# Altium PCB AVALON2_21b.PcbDoc (part 1 of 7) (continued)
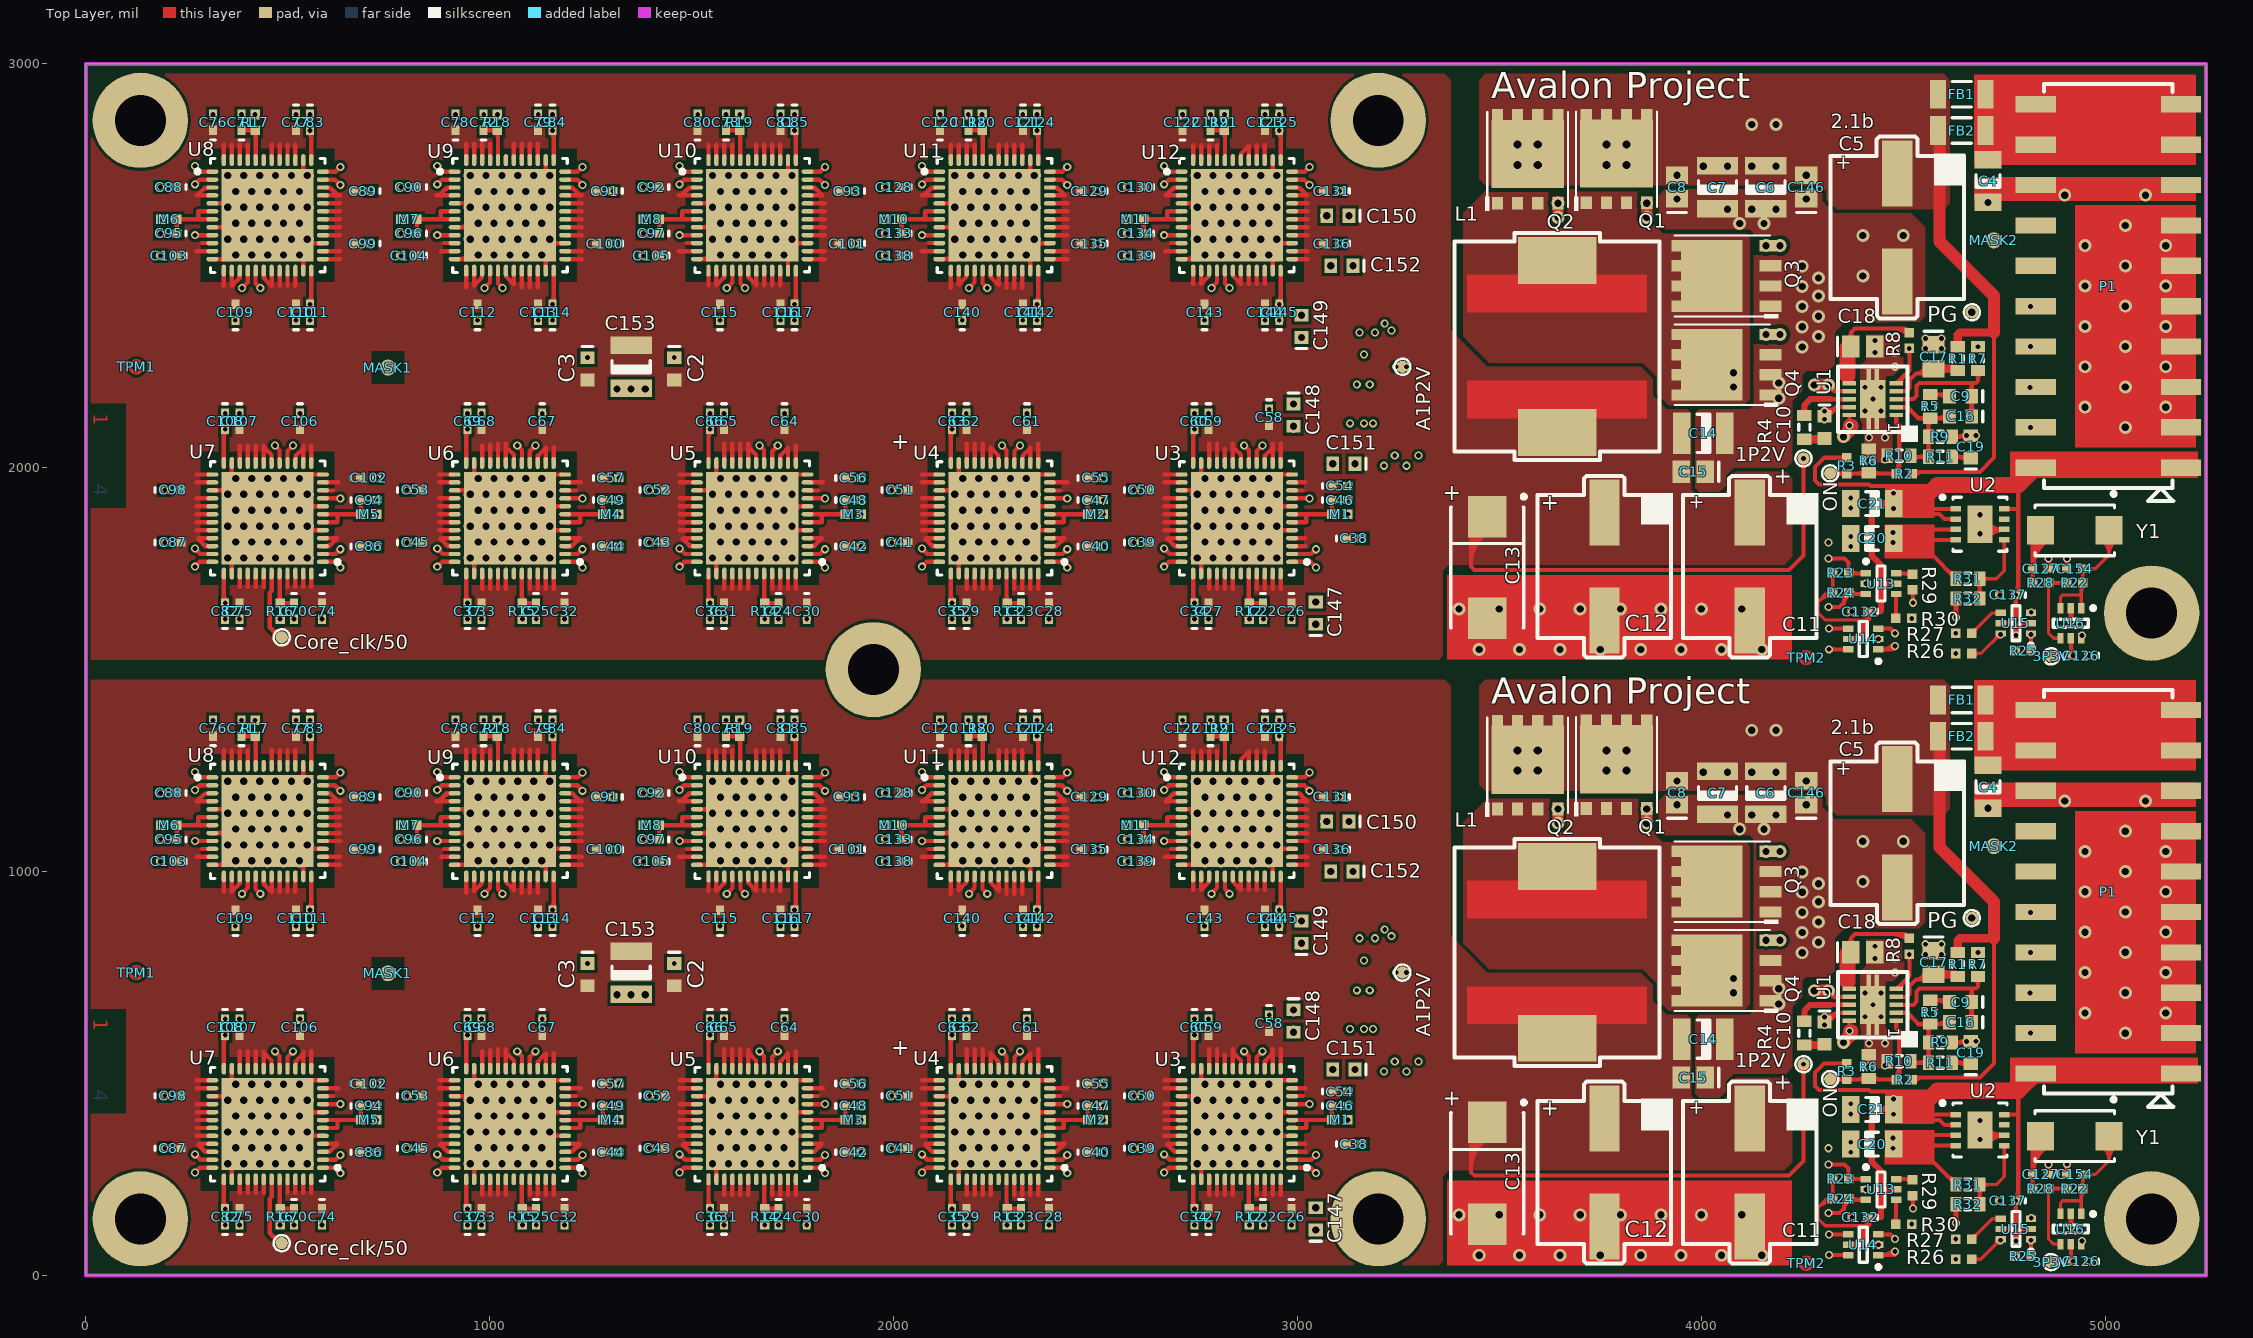
[diagram p0: Top Layer view]
## Components (designator, comment, footprint, x,y, rotation, side; value= is the part's Value field where it differs from the comment)
1P2V "TP" TP 4253,523 r180 top
1P2V "TP" TP 4253,2023 r180 top
3P3V "TP" TP 4866,33 r270 top
3P3V "TP" TP 4866,1533 r270 top
A1P2V "TP" TP 3260,750 r0 top
A1P2V "TP" TP 3260,2250 r0 top
C2 "4.7uF" CAPC1608L 1457,745 r270 top
C2 "4.7uF" CAPC1608L 1457,2245 r270 top
C3 "4.7uF" CAPC1608L 1242,745 r270 top
C3 "4.7uF" CAPC1608L 1242,2245 r270 top
C4 "10uF/16V" CAPC3216L 4710,1210 r90 top
C4 "10uF/16V" CAPC3216L 4710,2710 r90 top
C5 "470uF/16V" E12 4485,1095 r180 top
C5 "470uF/16V" E12 4485,2595 r180 top
C6 "22uF/16V" CAPC3225L 4160,1195 r90 top
C6 "22uF/16V" CAPC3225L 4160,2695 r90 top
C7 "22uF/16V" CAPC3225L 4040,1195 r90 top
C7 "22uF/16V" CAPC3225L 4040,2695 r90 top
C8 "4.7uF/16V" CAPC2012L 3940,1195 r90 top
C8 "4.7uF/16V" CAPC2012L 3940,2695 r90 top
C9 "6800pF" CAPC1608L 4641.93,676.93 r180 top
C9 "6800pF" CAPC1608L 4641.93,2176.93 r180 top
C10 "1uF/20V" CAPC1608L 4305,600 r270 top
C10 "1uF/20V" CAPC1608L 4305,2100 r270 top
C11 "1500uF/2.5V" E12 4120,255 r180 top
C11 "1500uF/2.5V" E12 4120,1755 r180 top
C12 "1500uF/2.5V" E12 3760,255 r180 top
C12 "1500uF/2.5V" E12 3760,1755 r180 top
C13 "680uF" D 3470,253.06 r270 top
C13 "680uF" D 3470,1753.06 r270 top
C14 "47uF" CAPC3225L 4005,585 r180 top
C14 "47uF" CAPC3225L 4005,2085 r180 top
C15 "10uF" CAPC2012L 3980,490 r180 top
C15 "10uF" CAPC2012L 3980,1990 r180 top
C16 "390pF" CAPC1608L 4641.93,626.93 r180 top
C16 "390pF" CAPC1608L 4641.93,2126.93 r180 top
C17 "4.7uF/16V" CAPC2012L 4575,775 r270 top
C17 "4.7uF/16V" CAPC2012L 4575,2275 r270 top
C18 "10uF" CAPC2012L 4400,800 r0 top
C18 "10uF" CAPC2012L 4400,2300 r0 top
C19 "4700pF" CAPC1608L 4666.93,551.93 r90 top
C19 "4700pF" CAPC1608L 4666.93,2051.93 r90 top
C20 "22uF" CAPC3216L 4423,325 r0 top
C20 "22uF" CAPC3216L 4423,1825 r0 top
C21 "22uF" CAPC3216L 4423,411 r180 top
C21 "22uF" CAPC3216L 4423,1911 r180 top
C22 "0.47uF" CAPC1005L 2915,145 r270 top
C22 "0.47uF" CAPC1005L 2915,1645 r270 top
C23 "0.47uF" CAPC1005L 2315,145 r270 top
C23 "0.47uF" CAPC1005L 2315,1645 r270 top
C24 "0.47uF" CAPC1005L 1715,145 r270 top
C24 "0.47uF" CAPC1005L 1715,1645 r270 top
C25 "0.47uF" CAPC1005L 1115,145 r270 top
C25 "0.47uF" CAPC1005L 1115,1645 r270 top
C26 "0.47uF" CAPC1005L 2985,145 r270 top
C26 "0.47uF" CAPC1005L 2985,1645 r270 top
C27 "0.47uF" CAPC1005L 2780,145 r90 top
C27 "0.47uF" CAPC1005L 2780,1645 r90 top
C28 "0.47uF" CAPC1005L 2385,145 r270 top
C28 "0.47uF" CAPC1005L 2385,1645 r270 top
C29 "0.47uF" CAPC1005L 2180,145 r90 top
C29 "0.47uF" CAPC1005L 2180,1645 r90 top
C30 "0.47uF" CAPC1005L 1785,145 r270 top
C30 "0.47uF" CAPC1005L 1785,1645 r270 top
C31 "0.47uF" CAPC1005L 1580,145.16 r90 top
C31 "0.47uF" CAPC1005L 1580,1645.16 r90 top
C32 "0.47uF" CAPC1005L 1185,145 r270 top
C32 "0.47uF" CAPC1005L 1185,1645 r270 top
C33 "0.47uF" CAPC1005L 980,145 r90 top
C33 "0.47uF" CAPC1005L 980,1645 r90 top
C34 "0.47uF" CAPC1005L 2745,145 r90 top
C34 "0.47uF" CAPC1005L 2745,1645 r90 top
C35 "0.47uF" CAPC1005L 2145,145.16 r90 top
C35 "0.47uF" CAPC1005L 2145,1645.16 r90 top
C36 "0.47uF" CAPC1005L 1545,145 r90 top
C36 "0.47uF" CAPC1005L 1545,1645 r90 top
C37 "0.47uF" CAPC1005L 945,145 r90 top
C37 "0.47uF" CAPC1005L 945,1645 r90 top
C38 "0.47uF" CAPC1005L 3140,325 r0 top
C38 "0.47uF" CAPC1005L 3140,1825 r0 top
C39 "0.47uF" CAPC1005L 2615,315 r0 top
C39 "0.47uF" CAPC1005L 2615,1815 r0 top
C40 "0.47uF" CAPC1005L 2500,305 r0 top
C40 "0.47uF" CAPC1005L 2500,1805 r0 top
C41 "0.47uF" CAPC1005L 2015,315 r0 top
C41 "0.47uF" CAPC1005L 2015,1815 r0 top
C42 "0.47uF" CAPC1005L 1900,305 r0 top
C42 "0.47uF" CAPC1005L 1900,1805 r0 top
C43 "0.47uF" CAPC1005L 1415,315 r0 top
C43 "0.47uF" CAPC1005L 1415,1815 r0 top
C44 "0.47uF" CAPC1005L 1300,305 r0 top
C44 "0.47uF" CAPC1005L 1300,1805 r0 top
C45 "0.47uF" CAPC1005L 815,315 r0 top
C45 "0.47uF" CAPC1005L 815,1815 r0 top
C46 "0.47uF" CAPC1005L 3105,420 r0 top
C46 "0.47uF" CAPC1005L 3105,1920 r0 top
C47 "0.47uF" CAPC1005L 2500,420 r0 top
C47 "0.47uF" CAPC1005L 2500,1920 r0 top
C48 "0.47uF" CAPC1005L 1900,420 r0 top
C48 "0.47uF" CAPC1005L 1900,1920 r0 top
C49 "0.47uF" CAPC1005L 1300,420 r0 top
C49 "0.47uF" CAPC1005L 1300,1920 r0 top
C50 "0.47uF" CAPC1005L 2615,445 r0 top
C50 "0.47uF" CAPC1005L 2615,1945 r0 top
C51 "0.47uF" CAPC1005L 2015,445 r0 top
C51 "0.47uF" CAPC1005L 2015,1945 r0 top
C52 "0.47uF" CAPC1005L 1415,445 r0 top
C52 "0.47uF" CAPC1005L 1415,1945 r0 top
C53 "0.47uF" CAPC1005L 815,445 r0 top
C53 "0.47uF" CAPC1005L 815,1945 r0 top
C54 "0.47uF" CAPC1005L 3105,455 r0 top
C54 "0.47uF" CAPC1005L 3105,1955 r0 top
C55 "0.47uF" CAPC1005L 2500,475 r0 top
C55 "0.47uF" CAPC1005L 2500,1975 r0 top
C56 "0.47uF" CAPC1005L 1900,475 r0 top
C56 "0.47uF" CAPC1005L 1900,1975 r0 top
C57 "0.47uF" CAPC1005L 1300,475 r0 top
C57 "0.47uF" CAPC1005L 1300,1975 r0 top
C58 "0.47uF" CAPC1005L 2930,625 r270 top
C58 "0.47uF" CAPC1005L 2930,2125 r270 top
C59 "0.47uF" CAPC1005L 2780,615 r270 top
C59 "0.47uF" CAPC1005L 2780,2115 r270 top
C60 "0.47uF" CAPC1005L 2745,615 r270 top
C60 "0.47uF" CAPC1005L 2745,2115 r270 top
C61 "0.47uF" CAPC1005L 2330,615 r270 top
C61 "0.47uF" CAPC1005L 2330,2115 r270 top
C62 "0.47uF" CAPC1005L 2180,615 r270 top
C62 "0.47uF" CAPC1005L 2180,2115 r270 top
C63 "0.47uF" CAPC1005L 2145,615 r270 top
C63 "0.47uF" CAPC1005L 2145,2115 r270 top
C64 "0.47uF" CAPC1005L 1730,615 r270 top
C64 "0.47uF" CAPC1005L 1730,2115 r270 top
C65 "0.47uF" CAPC1005L 1580,615 r270 top
C65 "0.47uF" CAPC1005L 1580,2115 r270 top
C66 "0.47uF" CAPC1005L 1545,615 r270 top
C66 "0.47uF" CAPC1005L 1545,2115 r270 top
C67 "0.47uF" CAPC1005L 1130,615 r270 top
C67 "0.47uF" CAPC1005L 1130,2115 r270 top
C68 "0.47uF" CAPC1005L 980,615 r270 top
C68 "0.47uF" CAPC1005L 980,2115 r270 top
C69 "0.47uF" CAPC1005L 945,615 r270 top
C69 "0.47uF" CAPC1005L 945,2115 r270 top
C70 "0.47uF" CAPC1005L 515,145 r270 top
C70 "0.47uF" CAPC1005L 515,1645 r270 top
C71 "0.47uF" CAPC1005L 385,1355 r90 top
C71 "0.47uF" CAPC1005L 385,2855 r90 top
C72 "0.47uF" CAPC1005L 985,1355 r90 top
C72 "0.47uF" CAPC1005L 985,2855 r90 top
C73 "0.47uF" CAPC1005L 1585,1355 r90 top
C73 "0.47uF" CAPC1005L 1585,2855 r90 top
C74 "0.47uF" CAPC1005L 585,145 r270 top
C74 "0.47uF" CAPC1005L 585,1645 r270 top
C75 "0.47uF" CAPC1005L 380,145 r90 top
C75 "0.47uF" CAPC1005L 380,1645 r90 top
C76 "0.47uF" CAPC1005L 315,1355 r90 top
C76 "0.47uF" CAPC1005L 315,2855 r90 top
C77 "0.47uF" CAPC1005L 520,1355 r270 top
C77 "0.47uF" CAPC1005L 520,2855 r270 top
C78 "0.47uF" CAPC1005L 915,1355 r90 top
C78 "0.47uF" CAPC1005L 915,2855 r90 top
C79 "0.47uF" CAPC1005L 1120,1355 r270 top
C79 "0.47uF" CAPC1005L 1120,2855 r270 top
C80 "0.47uF" CAPC1005L 1515,1355 r90 top
C80 "0.47uF" CAPC1005L 1515,2855 r90 top
C81 "0.47uF" CAPC1005L 1720,1355 r270 top
C81 "0.47uF" CAPC1005L 1720,2855 r270 top
C82 "0.47uF" CAPC1005L 345,145 r90 top
C82 "0.47uF" CAPC1005L 345,1645 r90 top
C83 "0.47uF" CAPC1005L 555,1355 r270 top
C83 "0.47uF" CAPC1005L 555,2855 r270 top
C84 "0.47uF" CAPC1005L 1155,1355 r270 top
C84 "0.47uF" CAPC1005L 1155,2855 r270 top
C85 "0.47uF" CAPC1005L 1755,1355 r270 top
C85 "0.47uF" CAPC1005L 1755,2855 r270 top
C86 "0.47uF" CAPC1005L 700,305 r0 top
C86 "0.47uF" CAPC1005L 700,1805 r0 top
C87 "0.47uF" CAPC1005L 214.84,315 r0 top
C87 "0.47uF" CAPC1005L 214.84,1815 r0 top
C88 "0.47uF" CAPC1005L 204.84,1195 r180 top
C88 "0.47uF" CAPC1005L 204.84,2695 r180 top
C89 "0.47uF" CAPC1005L 685,1185 r180 top
C89 "0.47uF" CAPC1005L 685,2685 r180 top
C90 "0.47uF" CAPC1005L 800,1195 r180 top
C90 "0.47uF" CAPC1005L 800,2695 r180 top
C91 "0.47uF" CAPC1005L 1285,1185 r180 top
C91 "0.47uF" CAPC1005L 1285,2685 r180 top
C92 "0.47uF" CAPC1005L 1400,1195 r180 top
C92 "0.47uF" CAPC1005L 1400,2695 r180 top
C93 "0.47uF" CAPC1005L 1885,1185 r180 top
C93 "0.47uF" CAPC1005L 1885,2685 r180 top
C94 "0.47uF" CAPC1005L 700,420 r0 top
C94 "0.47uF" CAPC1005L 700,1920 r0 top
C95 "0.47uF" CAPC1005L 204.84,1080 r180 top
C95 "0.47uF" CAPC1005L 204.84,2580 r180 top
C96 "0.47uF" CAPC1005L 800,1080 r180 top
C96 "0.47uF" CAPC1005L 800,2580 r180 top
C97 "0.47uF" CAPC1005L 1400,1080 r180 top
C97 "0.47uF" CAPC1005L 1400,2580 r180 top
C98 "0.47uF" CAPC1005L 214.84,445 r0 top
C98 "0.47uF" CAPC1005L 214.84,1945 r0 top
C99 "0.47uF" CAPC1005L 685,1055 r180 top
C99 "0.47uF" CAPC1005L 685,2555 r180 top
C100 "0.47uF" CAPC1005L 1285,1055 r180 top
C100 "0.47uF" CAPC1005L 1285,2555 r180 top
C101 "0.47uF" CAPC1005L 1885,1055 r180 top
C101 "0.47uF" CAPC1005L 1885,2555 r180 top
C102 "0.47uF" CAPC1005L 700,475 r0 top
C102 "0.47uF" CAPC1005L 700,1975 r0 top
C103 "0.47uF" CAPC1005L 204.84,1025 r180 top
C103 "0.47uF" CAPC1005L 204.84,2525 r180 top
C104 "0.47uF" CAPC1005L 800,1025 r180 top
C104 "0.47uF" CAPC1005L 800,2525 r180 top
C105 "0.47uF" CAPC1005L 1400,1025 r180 top
C105 "0.47uF" CAPC1005L 1400,2525 r180 top
C106 "0.47uF" CAPC1005L 530,615 r270 top
C106 "0.47uF" CAPC1005L 530,2115 r270 top
C107 "0.47uF" CAPC1005L 380,615 r270 top
C107 "0.47uF" CAPC1005L 380,2115 r270 top
C108 "0.47uF" CAPC1005L 345,615 r270 top
C108 "0.47uF" CAPC1005L 345,2115 r270 top
C109 "0.47uF" CAPC1005L 370,885 r90 top
C109 "0.47uF" CAPC1005L 370,2385 r90 top
C110 "0.47uF" CAPC1005L 520,885 r90 top
C110 "0.47uF" CAPC1005L 520,2385 r90 top
C111 "0.47uF" CAPC1005L 555,885 r90 top
C111 "0.47uF" CAPC1005L 555,2385 r90 top
C112 "0.47uF" CAPC1005L 970,885 r90 top
C112 "0.47uF" CAPC1005L 970,2385 r90 top
C113 "0.47uF" CAPC1005L 1120,885 r90 top
C113 "0.47uF" CAPC1005L 1120,2385 r90 top
C114 "0.47uF" CAPC1005L 1155,885 r90 top
C114 "0.47uF" CAPC1005L 1155,2385 r90 top
C115 "0.47uF" CAPC1005L 1570,885 r90 top
C115 "0.47uF" CAPC1005L 1570,2385 r90 top
C116 "0.47uF" CAPC1005L 1720,885 r90 top
C116 "0.47uF" CAPC1005L 1720,2385 r90 top
C117 "0.47uF" CAPC1005L 1755,885 r90 top
C117 "0.47uF" CAPC1005L 1755,2385 r90 top
C118 "0.47uF" CAPC1005L 2185,1355 r90 top
C118 "0.47uF" CAPC1005L 2185,2855 r90 top
C119 "0.47uF" CAPC1005L 2785,1355 r90 top
C119 "0.47uF" CAPC1005L 2785,2855 r90 top
C120 "0.47uF" CAPC1005L 2115,1355 r90 top
C120 "0.47uF" CAPC1005L 2115,2855 r90 top
C121 "0.47uF" CAPC1005L 2320,1355 r270 top
C121 "0.47uF" CAPC1005L 2320,2855 r270 top
C122 "0.47uF" CAPC1005L 2715,1355 r90 top
C122 "0.47uF" CAPC1005L 2715,2855 r90 top
C123 "0.47uF" CAPC1005L 2920,1355 r270 top
C123 "0.47uF" CAPC1005L 2920,2855 r270 top
C124 "0.47uF" CAPC1005L 2355,1355 r270 top
C124 "0.47uF" CAPC1005L 2355,2855 r270 top
C125 "0.47uF" CAPC1005L 2955,1355 r270 top
C125 "0.47uF" CAPC1005L 2955,2855 r270 top
C126 "0.47uF" CAPC1005L 4940,35 r180 top
C126 "0.47uF" CAPC1005L 4940,1535 r180 top
C127 "27pF" CAPC1005L 4840,250 r180 top
C127 "27pF" CAPC1005L 4840,1750 r180 top
C128 "0.47uF" CAPC1005L 2000,1195 r180 top
C128 "0.47uF" CAPC1005L 2000,2695 r180 top
C129 "0.47uF" CAPC1005L 2485,1185 r180 top
C129 "0.47uF" CAPC1005L 2485,2685 r180 top
C130 "0.47uF" CAPC1005L 2600,1195 r180 top
C130 "0.47uF" CAPC1005L 2600,2695 r180 top
C131 "0.47uF" CAPC1005L 3085,1185 r180 top
C131 "0.47uF" CAPC1005L 3085,2685 r180 top
C132 "0.47uF" CAPC1005L 4393,144 r180 top
C132 "0.47uF" CAPC1005L 4393,1644 r180 top
C133 "0.47uF" CAPC1005L 2000,1080 r180 top
C133 "0.47uF" CAPC1005L 2000,2580 r180 top
C134 "0.47uF" CAPC1005L 2600,1080 r180 top
C134 "0.47uF" CAPC1005L 2600,2580 r180 top
C135 "0.47uF" CAPC1005L 2485,1055 r180 top
C135 "0.47uF" CAPC1005L 2485,2555 r180 top
C136 "0.47uF" CAPC1005L 3085,1055 r180 top
C136 "0.47uF" CAPC1005L 3085,2555 r180 top
C137 "0.47uF" CAPC1005L 4759,185 r180 top
C137 "0.47uF" CAPC1005L 4759,1685 r180 top
C138 "0.47uF" CAPC1005L 2000,1025 r180 top
C138 "0.47uF" CAPC1005L 2000,2525 r180 top
C139 "0.47uF" CAPC1005L 2600,1025 r180 top
C139 "0.47uF" CAPC1005L 2600,2525 r180 top
C140 "0.47uF" CAPC1005L 2170,885 r90 top
C140 "0.47uF" CAPC1005L 2170,2385 r90 top
C141 "0.47uF" CAPC1005L 2320,885 r90 top
C141 "0.47uF" CAPC1005L 2320,2385 r90 top
C142 "0.47uF" CAPC1005L 2355,885 r90 top
C142 "0.47uF" CAPC1005L 2355,2385 r90 top
C143 "0.47uF" CAPC1005L 2770,885 r90 top
C143 "0.47uF" CAPC1005L 2770,2385 r90 top
C144 "0.47uF" CAPC1005L 2920,885 r90 top
C144 "0.47uF" CAPC1005L 2920,2385 r90 top
C145 "0.47uF" CAPC1005L 2955,885 r90 top
C145 "0.47uF" CAPC1005L 2955,2385 r90 top
C146 "4.7uF/16V" CAPC2012L 4260,1195 r90 top
C146 "4.7uF/16V" CAPC2012L 4260,2695 r90 top
C147 "4.7uF" CAPC1608L 3045,140 r90 top
C147 "4.7uF" CAPC1608L 3045,1640 r90 top
C148 "4.7uF" CAPC1608L 2990,630 r270 top
C148 "4.7uF" CAPC1608L 2990,2130 r270 top
C149 "4.7uF" CAPC1608L 3010,850 r90 top
C149 "4.7uF" CAPC1608L 3010,2350 r90 top
C150 "4.7uF" CAPC1608L 3100,1124 r180 top
C150 "4.7uF" CAPC1608L 3100,2624 r180 top
C151 "4.7uF" CAPC1608L 3115,510 r180 top
C151 "4.7uF" CAPC1608L 3115,2010 r180 top
C152 "4.7uF" CAPC1608L 3110,1000 r180 top
C152 "4.7uF" CAPC1608L 3110,2500 r180 top
C153 "47uF" CAPC3225L 1350,750 r90 top
C153 "47uF" CAPC3225L 1350,2250 r90 top
C154 "27pF" CAPC1005L 4925,250 r0 top
C154 "27pF" CAPC1005L 4925,1750 r0 top
Core_clk/50 "TP" TP 485,80 r90 top (schematic designator C_CK)
Core_clk/50 "TP" TP 485,1580 r90 top (schematic designator C_CK)
FB1 "MB" INDC3216L 4645,1425 r0 top
FB1 "MB" INDC3216L 4645,2925 r0 top
FB2 "MB" INDC3216L 4645,1335 r0 top
FB2 "MB" INDC3216L 4645,2835 r0 top
L1 "IHLP5050FDER" IHLP5050 3643,800 r270 top
L1 "IHLP5050FDER" IHLP5050 3643,2300 r270 top
M1 "MB" RESC1005L 3105,385 r0 top
M1 "MB" RESC1005L 3105,1885 r0 top
M2 "MB" RESC1005L 2500,385 r0 top
M2 "MB" RESC1005L 2500,1885 r0 top
M3 "MB" RESC1005L 1900,385 r0 top
M3 "MB" RESC1005L 1900,1885 r0 top
M4 "MB" RESC1005L 1300,385 r0 top
M4 "MB" RESC1005L 1300,1885 r0 top
M5 "MB" RESC1005L 700,385 r0 top
M5 "MB" RESC1005L 700,1885 r0 top
M6 "MB" RESC1005L 204.84,1115 r180 top
M6 "MB" RESC1005L 204.84,2615 r180 top
M7 "MB" RESC1005L 800,1115 r180 top
M7 "MB" RESC1005L 800,2615 r180 top
M8 "MB" RESC1005L 1400,1115 r180 top
M8 "MB" RESC1005L 1400,2615 r180 top
M10 "MB" RESC1005L 2000,1115 r180 top
M10 "MB" RESC1005L 2000,2615 r180 top
M11 "MB" RESC1005L 2600,1115 r180 top
M11 "MB" RESC1005L 2600,2615 r180 top
MASK1 "Socket" MASK_LT 748.03,748.03 r90 top
MASK1 "Socket" MASK_LT 748.03,2248.03 r90 top
MASK2 "Socket" MASK_LT 4724.41,1062.99 r90 top
MASK2 "Socket" MASK_LT 4724.41,2562.99 r90 top
ON "TP" TP 4319,486 r90 top
ON "TP" TP 4319,1986 r90 top
P1 "Header 10X2" 20PINSMT 5007.87,950 r90 top locked
P1 "Header 10X2" 20PINSMT 5007.87,2450 r90 top locked
PG "TP" TP 4670,885 r0 top
PG "TP" TP 4670,2385 r0 top
Q1 "CSD16321Q5C" Q5C 3715,1156 r270 top
Q1 "CSD16321Q5C" Q5C 3715,2656 r270 top
Q2 "NC" Q5C 3495,1155 r270 top
Q2 "NC" Q5C 3495,2655 r270 top
Q3 "CSD17556Q5B" Q5B 4171,900 r0 top
Q3 "CSD17556Q5B" Q5B 4171,2400 r0 top
Q4 "NC" Q5B 4171,680 r0 top
Q4 "NC" Q5B 4171,2180 r0 top
R1 "0R" RESC1608L 4635,770 r90 top
R1 "0R" RESC1608L 4635,2270 r90 top
R2 "NC" RESC1005L 4503,485 r0 top
R2 "NC" RESC1005L 4503,1985 r0 top
R3 "1K" RESC1005L 4360,505 r90 top
R3 "1K" RESC1005L 4360,2005 r90 top
R4 "0R" RESC1608L 4255,600 r90 top
R4 "0R" RESC1608L 4255,2100 r90 top
R5 "7.32K" RESC1608L 4566.93,651.93 r90 top
R5 "7.32K" RESC1608L 4566.93,2151.93 r90 top
R6 "10K" RESC1608L 4415,517 r270 top
R6 "10K" RESC1608L 4415,2017 r270 top
R7 "3.9K" RESC1608L 4685,770 r270 top
R7 "3.9K" RESC1608L 4685,2270 r270 top
R8 "100K" RESC1005L 4515,815 r90 top
R8 "100K" RESC1005L 4515,2315 r90 top
R9 "10K" RESC1608L 4591.93,576.93 r180 top
R9 "10K" RESC1608L 4591.93,2076.93 r180 top
R10 "14.3K" RESC1608L 4490,530 r0 top
R10 "14.3K" RESC1608L 4490,2030 r0 top
R11 "549R" RESC1608L 4591.93,526.93 r180 top
R11 "549R" RESC1608L 4591.93,2026.93 r180 top
R12 "100K" RESC1005L 2881,145 r270 top
R12 "100K" RESC1005L 2881,1645 r270 top
R13 "100K" RESC1005L 2281,145 r270 top
R13 "100K" RESC1005L 2281,1645 r270 top
R14 "100K" RESC1005L 1681,145 r270 top
R14 "100K" RESC1005L 1681,1645 r270 top
R15 "100K" RESC1005L 1081,145 r270 top
R15 "100K" RESC1005L 1081,1645 r270 top
R16 "100K" RESC1005L 481,145 r270 top
R16 "100K" RESC1005L 481,1645 r270 top
R17 "100K" RESC1005L 419,1355 r90 top
R17 "100K" RESC1005L 419,2855 r90 top
R18 "100K" RESC1005L 1019,1355 r90 top
R18 "100K" RESC1005L 1019,2855 r90 top
R19 "100K" RESC1005L 1619,1355 r90 top
R19 "100K" RESC1005L 1619,2855 r90 top
R20 "100K" RESC1005L 2219,1355 r90 top
R20 "100K" RESC1005L 2219,2855 r90 top
R21 "100K" RESC1005L 2819,1355 r90 top
R21 "100K" RESC1005L 2819,2855 r90 top
R22 "2.2M" RESC1005L 4925,215 r0 top
R22 "2.2M" RESC1005L 4925,1715 r0 top
R23 "470R" RESC1005L 4345,240 r180 top
R23 "470R" RESC1005L 4345,1740 r180 top
R24 "470R" RESC1005L 4345,190 r180 top
R24 "470R" RESC1005L 4345,1690 r180 top
R25 "100R" RESC1005L 4797,47 r0 top
R25 "100R" RESC1005L 4797,1547 r0 top
R26 "0R" RESC1005L 4650,40 r0 top
R26 "0R" RESC1005L 4650,1540 r0 top
R27 "0R" RESC1005L 4650,90 r0 top
R27 "0R" RESC1005L 4650,1590 r0 top
R28 "1K" RESC1005L 4840,215 r180 top
R28 "1K" RESC1005L 4840,1715 r180 top
R29 "100R" RESC1005L 4523,217 r90 top
R29 "100R" RESC1005L 4523,1717 r90 top
R30 "100R" RESC1005L 4501,127 r180 top
R30 "100R" RESC1005L 4501,1627 r180 top
R31 "9.1K" RESC1608L 4660,225 r180 top
R31 "9.1K" RESC1608L 4660,1725 r180 top
R32 "36K" RESC1608L 4660,176 r180 top
R32 "36K" RESC1608L 4660,1676 r180 top
TPM1 "MASKTEST" MASKTEST 125,750 r90 top
TPM1 "MASKTEST" MASKTEST 125,2250 r90 top
TPM2 "MASKTEST" MASKTEST 4260,30 r90 top
TPM2 "MASKTEST" MASKTEST 4260,1530 r90 top
U1 "TPS40193" SON10 4425,670 r180 top locked
U1 "TPS40193" SON10 4425,2170 r180 top locked
U2 "RT9187" DFN-MF8 4690,360 r0 top
U2 "RT9187" DFN-MF8 4690,1860 r0 top
U3 "A3255" QFN50P700X700-48V4N 2850,375 r180 top
U3 "A3255" QFN50P700X700-48V4N 2850,1875 r180 top
U4 "A3255" QFN50P700X700-48V4N 2250,375 r180 top
U4 "A3255" QFN50P700X700-48V4N 2250,1875 r180 top
U5 "A3255" QFN50P700X700-48V4N 1650,375 r180 top
U5 "A3255" QFN50P700X700-48V4N 1650,1875 r180 top
U6 "A3255" QFN50P700X700-48V4N 1050,375 r180 top
U6 "A3255" QFN50P700X700-48V4N 1050,1875 r180 top
U7 "A3255" QFN50P700X700-48V4N 450,375 r180 top
U7 "A3255" QFN50P700X700-48V4N 450,1875 r180 top
U8 "A3255" QFN50P700X700-48V4N 450,1125 r0 top
U8 "A3255" QFN50P700X700-48V4N 450,2625 r0 top
U9 "A3255" QFN50P700X700-48V4N 1050,1125 r0 top
U9 "A3255" QFN50P700X700-48V4N 1050,2625 r0 top
U10 "A3255" QFN50P700X700-48V4N 1650,1125 r0 top
U10 "A3255" QFN50P700X700-48V4N 1650,2625 r0 top
U11 "A3255" QFN50P700X700-48V4N 2250,1125 r0 top
U11 "A3255" QFN50P700X700-48V4N 2250,2625 r0 top
U12 "A3255" QFN50P700X700-48V4N 2850,1125 r0 top
U12 "A3255" QFN50P700X700-48V4N 2850,2625 r0 top
U13 "74LVC2G34" SOT363_L 4445,213 r0 top
U13 "74LVC2G34" SOT363_L 4445,1713 r0 top
U14 "74LVC2G34" SOT363_L 4401,76 r180 top
U14 "74LVC2G34" SOT363_L 4401,1576 r180 top
U15 "74HC2GU04" SOT363_L 4779,115 r180 top
U15 "74HC2GU04" SOT363_L 4779,1615 r180 top
U16 "74HC2GU04" SOT363_L 4915,115 r270 top
U16 "74HC2GU04" SOT363_L 4915,1615 r270 top
Y1 "XTAL_25M" 4SMX 4925,345 r180 top locked
Y1 "XTAL_25M" 4SMX 4925,1845 r180 top locked

## Footprints (in the part's own frame and the unit in brackets; to place one, negate y for a bottom-side part, rotate by r counter-clockwise, add the part's x,y. Pads: shape width x height; smd on the part's side, far side on the other; paste and mask are expansions set on the pad)
4SMX [mm] "Quartz Crystal, SM; Body 5.2 x 3.4 mm (LxW max)"
  rect 1.7x1.8 smd: 1(-2.15,0) 2(2.15,0)
  silkscreen extent -2.57,-2.42 2.5,1.6
20PINSMT [mm]
  rect 1.02x2.534 smd: 1(-11.43,-4.573) 2(-11.43,4.573) 3(-8.89,-4.573) 4(-8.89,4.573) 5(-6.35,-4.573) 6(-6.35,4.573) 7(-3.81,-4.573) 8(-3.81,4.573) 9(-1.27,-4.573) 10(-1.27,4.573) 11(1.27,-4.573) 12(1.27,4.573) 13(3.81,-4.573) 14(3.81,4.573) 15(6.35,-4.573) 16(6.35,4.573) 17(8.89,-4.573) 18(8.89,4.573) 19(11.43,-4.573) 20(11.43,4.573)
  silkscreen extent -13.52,-4.08 12.7,4.05, body extent -12.55,-3.89 12.52,3.91, height 6.1
CAPC1005L [mm] "Chip Capacitor, Body 1.0x0.5mm, IPC High Density"
  rect 0.6x0.5 smd: 1(-0.5,0) 2(0.5,0)
  silkscreen extent -1.1,-0.15 -1.1,0.15, body extent -0.55,-0.3 0.55,0.3, height 0.6
CAPC1608L [mm] "Chip Capacitor, Body 1.6x0.8mm, IPC High Density"
  rect 0.8x0.9 smd: 1(-0.7,0) 2(0.7,0)
  silkscreen extent -1.4,-0.35 -1.4,0.35, body extent -0.87,-0.48 0.87,0.48, height 0.85
CAPC2012L [mm] "Chip Capacitor, Body 2.0x1.3mm, IPC High Density"
  rect 1.1x1.4 smd: 1(-0.75,0) 2(0.75,0)
  silkscreen extent -1.6,-0.6 -1.6,0.6, body extent -1.1,-0.72 1.1,0.72, height 1.1
CAPC3216L [mm] "Chip Capacitor, Body 3.2x1.6mm, IPC High Density"
  rect 1.1x1.7 smd: 1(-1.35,0) 2(1.35,0)
  silkscreen extent -0.4,-0.75 0.4,0.75, body extent -1.7,-0.9 1.7,0.9, height 1.35
CAPC3225L [mm] "Chip Capacitor, Body 3.2x2.5mm, IPC High Density"
  rect 1.1x2.6 smd: 1(-1.35,0) 2(1.35,0)
  silkscreen extent -0.4,-1.2 0.4,1.2, body extent -1.7,-1.35 1.7,1.35, height 1.35
D [mm] "Capacitor, SM Tantalum; Body 7.3 x 4.3 mm (LxW typ)"
  rect 2.6x2.4 smd: 1(-3.2,0) 2(3.2,0)
  silkscreen extent -4.57,-2.3 3.8,2.43, body extent -4.7,-2.4 3.9,2.55, height 6
DFN-MF8 [mm] "SON, 8-Leads, Body 3x3mm, Pitch 0.65mm, Microchip Recommended"
  rect 0.65x0.35 smd: 1(-1.525,0.975) 2(-1.525,0.325) 3(-1.525,-0.325) 4(-1.525,-0.975) 5(1.525,-0.975) 6(1.525,-0.325) 7(1.525,0.325) 8(1.525,0.975)
  rect 1.55x2.35 smd: 9(0,0)
  silkscreen extent -2.47,-1.7 1.7,1.82, body extent -1.55,-1.55 1.55,1.55, height 1
E12 [mm] "SVPC"
  rect 1.9x4.15 smd: 1(0,-3.4) 2(0,3.4)
  silkscreen extent -4.31,-5.71 4.2,5.71, body extent -3.98,-3.99 4,3.99, height 12.8
IHLP5050 [mm]
  rect 2.945x4.95 smd: 1(-5.407,0) 2(5.407,0)
  Top Layer region: 2.134,-5.664 4.521,-5.664 4.521,5.664 2.134,5.664
  Top Layer region: -4.521,-5.664 -2.134,-5.664 -2.134,5.664 -4.521,5.664
  silkscreen extent -7.14,-6.45 7.14,6.45, body extent -6.6,-6.45 6.6,6.45, height 6.5
INDC3216L [mm] "Chip Inductor, Body 3.2x1.6mm, IPC High Density"
  rect 1x1.8 smd: 1(-1.5,0) 2(1.5,0)
  silkscreen extent -0.6,-0.8 0.6,0.8, body extent -1.75,-0.95 1.75,0.95, height 1.9
MASK_LT [mm]
  round 1 smd: 0(0,0)
  Top Layer pour cut-out: -1.016,1.016 1.016,1.016 1.016,-1.016 -1.016,-1.016
MASKTEST [mil]
  round 10 smd paste+0 mask+3: 0(0,0)
  Top Layer circle w8: c0,0 r15
Q5B [mil] "Q5C Package Recommended PCB Pattern"
  rect 54x28 smd: 1(0,0) 2(0,50) 3(0,100) 4(0,150)
  rect 24x28 smd: 5(-232.44,0) 5(-232.44,50) 5(-232.44,100) 5(-232.44,150)
  rect 152x178 smd: 5(-145.05,75)
  silkscreen extent -237,-30 20,175
Q5C [mm] "Q5C Package Recommended PCB Pattern"
  rect 0.8x0.7 smd: 1(0,0) 2(0,1.27) 3(0,2.54) 4(0,3.81)
  rect 0.68x0.7 smd: 5(-5.574,2.54) 5(-5.574,3.81) 5(-5.574,0) 5(-5.574,1.27)
  rect 4.29x4.572 smd: 5(-3.1,1.905)
  silkscreen extent -5.75,-0.76 0.5,4.44
QFN50P700X700-48V4N [mm] "QFN, 48-Leads, Body 7x7mm, Pitch 0.5mm, IPC Medium Density"
  oval 0.75x0.28 smd mask+0.075: 1(-3.475,2.75) 2(-3.475,2.25) 3(-3.475,1.75) 4(-3.475,1.25) 5(-3.475,0.75) 6(-3.475,0.25) 7(-3.475,-0.25) 8(-3.475,-0.75) 9(-3.475,-1.25) 10(-3.475,-1.75) 11(-3.475,-2.25) 12(-3.475,-2.75) 25(3.475,-2.75) 26(3.475,-2.25) 27(3.475,-1.75) 28(3.475,-1.25) 29(3.475,-0.75) 30(3.475,-0.25) 31(3.475,0.25) 32(3.475,0.75) 33(3.475,1.25) 34(3.475,1.75) 35(3.475,2.25) 36(3.475,2.75)
  oval 0.28x0.75 smd mask+0.075: 13(-2.75,-3.475) 14(-2.25,-3.475) 15(-1.75,-3.475) 16(-1.25,-3.475) 17(-0.75,-3.475) 18(-0.25,-3.475) 19(0.25,-3.475) 20(0.75,-3.475) 21(1.25,-3.475) 22(1.75,-3.475) 23(2.25,-3.475) 24(2.75,-3.475) 37(2.75,3.475) 38(2.25,3.475) 39(1.75,3.475) 40(1.25,3.475) 41(0.75,3.475) 42(0.25,3.475) 43(-0.25,3.475) 44(-0.75,3.475) 45(-1.25,3.475) 46(-1.75,3.475) 47(-2.25,3.475) 48(-2.75,3.475)
  rect 5.8x5.8 smd paste-0.2 mask-0.15: 49(0,0)
  silkscreen extent -4.52,-3.6 3.6,3.58
RESC1005L [mm] "Chip Resistor, Body 1.1x0.5mm, IPC High Density"
  rect 0.6x0.6 smd: 1(-0.5,0) 2(0.5,0)
  body extent -0.55,-0.3 0.55,0.3, height 0.4
RESC1608L [mm] "Chip Resistor, Body 1.6x0.8mm, IPC High Density"
  rect 0.7x0.9 smd: 1(-0.75,0) 2(0.75,0)
  silkscreen extent -0.2,-0.35 0.2,0.35, body extent -0.85,-0.48 0.85,0.48, height 0.6
SON10 [mm]
  rect 0.85x0.28 smd paste+0.07 mask+0.07: 1(-1.475,1) 2(-1.475,0.5) 3(-1.475,0) 4(-1.475,-0.5) 5(-1.475,-1) 6(1.475,-1) 7(1.475,-0.5) 8(1.475,0) 9(1.475,0.5) 10(1.475,1)
  rect 0.28x0.7 smd paste+0 mask+0: 11(-0.25,1.549) 11(-0.25,-1.549) 11(0.25,1.549) 11(0.25,-1.549)
  rect 1.6x2.4 smd paste+0 mask+0: 11(0,0)
  silkscreen extent -2.84,-2.06 2.18,2.69, body extent -1.97,-1.9 1.97,1.9, height 0.8
SOT363_L [mm] "SOT363, 6-Leads, Body 2x1.3mm, Pitch 0.65mm, Lead Span 2.1mm, IPC High Density"
  rect 0.65x0.4 smd: 1(-0.95,0.65) 2(-0.95,0) 3(-0.95,-0.65) 4(0.95,-0.65) 5(0.95,0) 6(0.95,0.65)
  silkscreen extent -1.07,-1.1 0.25,1.52, body extent -0.7,-1.1 0.7,1.1, height 1.1
TP [mil]
  round 30 smd paste+0 mask+4: 1(0,0)
  silkscreen extent -20,-20 20,20, body extent -20,-20 20,20

## Part data
C2 C2 C3 C3 C4 C4 C6 C6 C7 C7 C8 C8 C9 C9 C10 C10 C14 C14 C15 C15 C16 C16 C17 C17 C18 C18 C19 C19 C20 C20 C21 C21 C22 C22 C23 C23 C24 C24 C25 C25 C26 C26 C27 C27 C28 C28 C29 C29 C30 C30 C31 C31 C32 C32 C33 C33 C34 C34 C35 C35 C36 C36 C37 C37 C38 C38 C39 C39 C40 C40 C41 C41 C42 C42 C43 C43 C44 C44 C45 C45 C46 C46 C47 C47 C48 C48 C49 C49 C50 C50 C51 C51 C52 C52 C53 C53 C54 C54 C55 C55 C56 C56 C57 C57 C58 C58 C59 C59 C60 C60 C61 C61 C62 C62 C63 C63 C64 C64 C65 C65 C66 C66 C67 C67 C68 C68 C69 C69 C70 C70 C71 C71 C72 C72 C73 C73 C74 C74 C75 C75 C76 C76 C77 C77 C78 C78 C79 C79 C80 C80 C81 C81 C82 C82 C83 C83 C84 C84 C85 C85 C86 C86 C87 C87 C88 C88 C89 C89 C90 C90 C91 C91 C92 C92 C93 C93 C94 C94 C95 C95 C96 C96 C97 C97 C98 C98 C99 C99 C100 C100 C101 C101 C102 C102 C103 C103 C104 C104 C105 C105 C106 C106 C107 C107 C108 C108 C109 C109 C110 C110 C111 C111 C112 C112 C113 C113 C114 C114 C115 C115 C116 C116 C117 C117 C118 C118 C119 C119 C120 C120 C121 C121 C122 C122 C123 C123 C124 C124 C125 C125 C126 C126 C127 C127 C128 C128 C129 C129 C130 C130 C131 C131 C132 C132 C133 C133 C134 C134 C135 C135 C136 C136 C137 C137 C138 C138 C139 C139 C140 C140 C141 C141 C142 C142 C143 C143 C144 C144 C145 C145 C146 C146 C147 C147 C148 C148 C149 C149 C150 C150 C151 C151 C152 C152 C153 C153 C154 C154: library part "Cap Semi", "Capacitor (Semiconductor SIM Model)"
C5 C5 C11 C11 C12 C12: library part "Cap Pol1", "Polarized Capacitor (Radial)"
C13 C13: library part "Cap Pol3", "Polarized Capacitor (Surface Mount)"
FB1 FB1 FB2 FB2 R1 R1 R2 R2 R3 R3 R4 R4 R5 R5 R6 R6 R7 R7 R8 R8 R9 R9 R10 R10 R11 R11 R12 R12 R13 R13 R14 R14 R15 R15 R16 R16 R17 R17 R18 R18 R19 R19 R20 R20 R21 R21 R22 R22 R23 R23 R24 R24 R25 R25 R26 R26 R27 R27 R28 R28 R29 R29 R30 R30 R31 R31 R32 R32: library part Res3, "Resistor"
L1 L1: library part Inductor, "Inductor"
M1 M1 M2 M2 M3 M3 M4 M4 M5 M5 M6 M6 M7 M7 M8 M8 M10 M10 M11 M11: library part Res3
P1 P1: "Header, 10-Pin, Dual row"
Q1 Q1 Q2 Q2 Q3 Q3 Q4 Q4: library part HAT216X
U2 U2: "1A, Ultra-Low Dropout, Ultra-Fast CMOS LDO Regulator"
U3 U3 U4 U4 U5 U5 U6 U6 U7 U7 U8 U8 U9 U9 U10 U10 U11 U11 U12 U12: "A3255 55nm mining chip"
U15 U15 U16 U16: "Dual unbuffered inverter"
Y1 Y1: library part XTAL, "Crystal Oscillator"

## Free pads (board coordinates)
  round 236.22 hole 125.98: 0(135,140) 0(135,2860) 0(1950,1500) 0(3200,140) 0(3200,2860) 0(5115,140) 0(5115,1640)

## Via types
v1: diameter 32, hole 18, Top Layer to Bottom Layer, tented both sides, 846 vias
v2: diameter 20, hole 12, Top Layer to Bottom Layer, tented both sides, 458 vias
v3: diameter 20, hole 12, Top Layer to Bottom Layer, tented bottom, 154 vias
v4: diameter 50, hole 20, Top Layer to Bottom Layer, tented both sides, 16 vias
v5: diameter 23.62, hole 11.81, Top Layer to Bottom Layer, tented bottom, 10 vias
v6: diameter 25.98, hole 12.99, Top Layer to Bottom Layer, tented top, 4 vias
v7: diameter 20, hole 12, Top Layer to Bottom Layer, 4 vias

## Nets (pads, with @x,y where several pads share a name; then routed paths per layer and width w, separated by ;. In a path a pad name is that pad's centre, name@x,y a point inside that pad or via, vN(x,y) a via of type N, cw(c..) or ccw(c..) an arc to the next point about the centre after c; other vN are vias at no path point)
1V2_PG: PG.1 R8.1 U1.5 | length 898.7
  Top Layer w10: U1.5@4483.07,709.37 4515,741.3 R8.1@4515,790 ; U1.5@4483.07,2209.37 4515,2241.3 R8.1@4515,2290 ; U1.5@4484.8,709.37 cw(c4488.99,709.37) U1.5@4486.03,712.33 ; U1.5@4484.8,2209.37 cw(c4488.99,2209.37) U1.5@4486.03,2212.33 ; U1.5@4494.8,709.37 cw(c4523.13,709.37) 4503.1,729.4 ; U1.5@4494.8,2209.37 cw(c4523.13,2209.37) 4503.1,2229.4 ; R8.1@4510.18,790.5 cw(c4498.56,778.87) 4515,778.87 cw(c4531.44,778.87) R8.1@4519.82,790.5 ; R8.1@4510.18,2290.5 cw(c4498.56,2278.87) 4515,2278.87 cw(c4531.44,2278.87) R8.1@4519.82,2290.5 ; R8.1@4511.46,791.46 cw(c4502.93,782.93) 4515,782.93 cw(c4527.07,782.93) R8.1@4518.54,791.46 ; R8.1@4511.46,2291.46 cw(c4502.93,2282.93) 4515,2282.93 cw(c4527.07,2282.93) R8.1@4518.54,2291.46
  Mid-Layer 2 w10: v2@4511.46,798.54 ccw(c4502.93,807.07) 4515,807.07 ccw(c4527.07,807.07) v2@4518.54,798.54 ; v2@4511.46,2298.54 ccw(c4502.93,2307.07) 4515,2307.07 ccw(c4527.07,2307.07) v2@4518.54,2298.54 ; v2(4515,795) 4515,850 4550,885 v1(4670,885) ; v2(4515,2295) 4515,2350 4550,2385 v1(4670,2385) ; v1@4662.22,877.22 ccw(c4643.44,858.44) 4643.44,885 ccw(c4643.44,911.56) v1@4662.22,892.78 ; v1@4662.22,2377.22 ccw(c4643.44,2358.44) 4643.44,2385 ccw(c4643.44,2411.56) v1@4662.22,2392.78
AVCC1V2: A1P2V.1 C20.2 C151.2 C152.2 M1.2 M2.2 M3.2 M4.2 M5.2 M6.2 M7.2 M8.2 M10.2 M11.2 R31.2 U2.3 U2.4 | length 22423.8
  Top Layer w10: 4543.54,286 4569.47,286 R31.2@4630.47,225 ; 4543.54,1786 4569.47,1786 R31.2@4630.47,1725 ; 4561.61,321.61 U2.4@4629.96,321.61 ; 4561.61,1821.61 U2.4@4629.96,1821.61 ; 4562.8,347.2 U2.3@4629.96,347.2 ; 4562.8,1847.2 U2.3@4629.96,1847.2 ; 4608.76,246.71 ccw(c4630.47,268.42) R31.2@4630.47,237.72 ; 4608.76,1746.71 ccw(c4630.47,1768.42) R31.2@4630.47,1737.72 ; R31.2@4618.27,237.2 cw(c4610,228.94) R31.2@4621.69,228.94 ; R31.2@4618.27,1737.2 cw(c4610,1728.94) R31.2@4621.69,1728.94
  Mid-Layer 1 w20: 3191.86,867 cw(c3191.86,832.86) v2(3216,857) ccw(c3205.25,856.23) 3205.25,867 3127,867 3095,835 3095,599.75 3119.75,575 3152,575 ; 3191.86,2367 cw(c3191.86,2332.86) v2(3216,2357) ccw(c3205.25,2356.23) 3205.25,2367 3127,2367 3095,2335 3095,2099.75 3119.75,2075 3152,2075 ; 3205.63,867.37 v2(3233,840) 3270,803 v2(3270,750) v2(3244,750) ; 3205.63,2367.37 v2(3233,2340) 3270,2303 v2(3270,2250) v2(3244,2250) ; 3152,575 ccw(c3120.32,606.68) v2(3165,610) v2(3187,610) 3152,575 ; 3152,2075 ccw(c3120.32,2106.68) v2(3165,2110) v2(3187,2110) 3152,2075
  Mid-Layer 2 w20: 206.33,1123.77 cw(c185.16,1144.94) v2(185.16,1115) 197.56,1115 217.5,1134.94 217.5,1239.61 262.89,1285 915,1285 ; 206.33,2623.77 cw(c185.16,2644.94) v2(185.16,2615) 197.56,2615 217.5,2634.94 217.5,2739.61 262.89,2785 915,2785 ; v2(719.69,385) 860,385 905,340 905,245 928.85,221.15 2949.15,221.15 2985,257 2985,333.96 3062,410.96 ; v2(719.69,1885) 860,1885 905,1840 905,1745 928.85,1721.15 2949.15,1721.15 2985,1757 2985,1833.96 3062,1910.96 ; v2@775.31,1115 870,1115 915,1160 915,1285 ; v2@775.31,2615 870,2615 915,2660 915,2785 ; v2(1319.69,385) 1460,385 1505,340 1505,245 1528.85,221.15 ; v2(1319.69,1885) 1460,1885 1505,1840 1505,1745 1528.85,1721.15 ; v2@1375.31,1115 1460,1115 1515,1170 1515,1285 ; v2@1375.31,2615 1460,2615 1515,2670 1515,2785 ; v2(1919.69,385) 2060,385 2105,340 2105,245 2128.85,221.15 ; v2(1919.69,1885) 2060,1885 2105,1840 2105,1745 2128.85,1721.15 ; v2@1975.31,1115 2060,1115 2113,1168 2113,1285 ; v2@1975.31,2615 2060,2615 2113,2668 2113,2785 ; v2(2519.69,385) 2660,385 2705,340 2705,245 2728.85,221.15 ; v2(2519.69,1885) 2660,1885 2705,1840 2705,1745 2728.85,1721.15 ; v2@2575.31,1115 2660,1115 2715,1170 2715,1285 ; v2@2575.31,2615 2660,2615 2715,2670 2715,2785 ; 3056.08,1016.92 ccw(c3082.44,1043.28) v1@3082.44,1006 ; 3056.08,2516.92 ccw(c3082.44,2543.28) v1@3082.44,2506 ; v1@3088.44,1000 ccw(c3125.72,1000) 3099.36,973.64 ; v1@3088.44,2500 ccw(c3125.72,2500) 3099.36,2473.64 ; v2(3125,385) 3087.96,385 3062,410.96 ; v2(3125,1885) 3087.96,1885 3062,1910.96 ; 3149.44,572.44 ccw(c3111.89,610) v2(3165,610) v2(3187,610) 3062,485 3062,410.96 ; 3149.44,2072.44 ccw(c3111.89,2110) v2(3165,2110) v2(3187,2110) 3062,1985 3062,1910.96 ; v2(3233,840) 2994,1079 2994,1235 2969,1260 2740,1260 2715,1285 ; v2(3233,2340) 2994,2579 2994,2735 2969,2760 2740,2760 2715,2785 ; v2(3244,750) v2(3270,750) ; v2(3244,2250) v2(3270,2250) ; 915,1285 1515,1285 ; 915,2785 1515,2785 ; 1515,1285 2113,1285 ; 1515,2785 2113,2785 ; 2113,1285 2715,1285 ; 2113,2785 2715,2785
  Mid-Layer 2 w30: v2(3270,750) 3348,672 3348,509 3411,446 4174,446 4255,365 4396,365 4434,327 4479,327 ; v2(3270,2250) 3348,2172 3348,2009 3411,1946 4174,1946 4255,1865 4396,1865 4434,1827 4479,1827 ; 4455.69,327 ccw(c4455.69,359.31) v2@4478.54,336.46 ; 4455.69,1827 ccw(c4455.69,1859.31) v2@4478.54,1836.46 ; 4458.1,327 cw(c4458.1,298.1) v2@4478.54,318.54 ; 4458.1,1827 cw(c4458.1,1798.1) v2@4478.54,1818.54
  other v1: 3087.44,510 3082.44,1000 3087.44,2010 3082.44,2500
  other v2: 4475,315 4475,340 780.31,1115 1380.31,1115 1980.31,1115 2580.31,1115 4475,1815 4475,1840 780.31,2615 1380.31,2615 1980.31,2615 2580.31,2615
C_CLK_OUT: Core_clk/50.1 U7.43 | length 406.1
  Top Layer w11: U7.43@459.84,238.17 459.84,194.84 455,190 455,105 480,80 Core_clk/50.1@485,80 ; U7.43@459.84,1738.17 459.84,1694.84 455,1690 455,1605 480,1580 Core_clk/50.1@485,1580 ; 460.25,99.75 ccw(c485,124.51) Core_clk/50.1@485,89.5 ; 460.25,1599.75 ccw(c485,1624.51) Core_clk/50.1@485,1589.5
CLK: R25.2 U15.1 U16.6 | length 496
  Top Layer w10: R25.2@4811.87,51.82 ccw(c4800.93,62.76) 4816.4,62.76 ; R25.2@4811.87,1551.82 ccw(c4800.93,1562.76) 4816.4,1562.76 ; U15.1@4812.46,83.46 cw(c4802.96,73.96) 4816.4,73.96 ; U15.1@4812.46,1583.46 cw(c4802.96,1573.96) 4816.4,1573.96 ; R25.2@4816.4,47 U15.1@4816.4,89.41 ; 4816.4,64.13 ccw(c4833.81,64.13) R25.2@4821.5,51.82 ; 4816.4,75.9 cw(c4827.1,75.9) U15.1@4819.54,83.46 ; R25.2@4816.4,1547 U15.1@4816.4,1589.41 ; 4816.4,1564.13 ccw(c4833.81,1564.13) R25.2@4821.5,1551.82 ; 4816.4,1575.9 cw(c4827.1,1575.9) U15.1@4819.54,1583.46
  Mid-Layer 2 w10: v2(4816,87) v2@4943,87 ; v2(4816,1587) v2@4943,1587 ; v2@4819.54,83.46 cw(c4828.07,74.93) 4828.07,87 cw(c4828.07,99.07) v2@4819.54,90.54 ; v2@4819.54,1583.46 cw(c4828.07,1574.93) 4828.07,1587 cw(c4828.07,1599.07) v2@4819.54,1590.54 ; 4926.1,87 cw(c4926.1,68.1) v2@4939.46,81.46 ; 4926.1,1587 cw(c4926.1,1568.1) v2@4939.46,1581.46
  other v2: 4943,85 4943,1585
CLK_CONNECT: R25.1 | length 1813
  Mid-Layer 2 w10: v2@4773.78,1543.46 cw(c4765.24,1534.93) 4777.31,1534.93 cw(c4789.39,1534.93) v2@4780.85,1543.46 ; v2(4777.32,47) 4718,47 4690,75 4690,185 5003,498 5003,1284 4777.32,1509.68 v2(4777.32,1547)